# KiCad board distribution.kicad_pcb (continued)
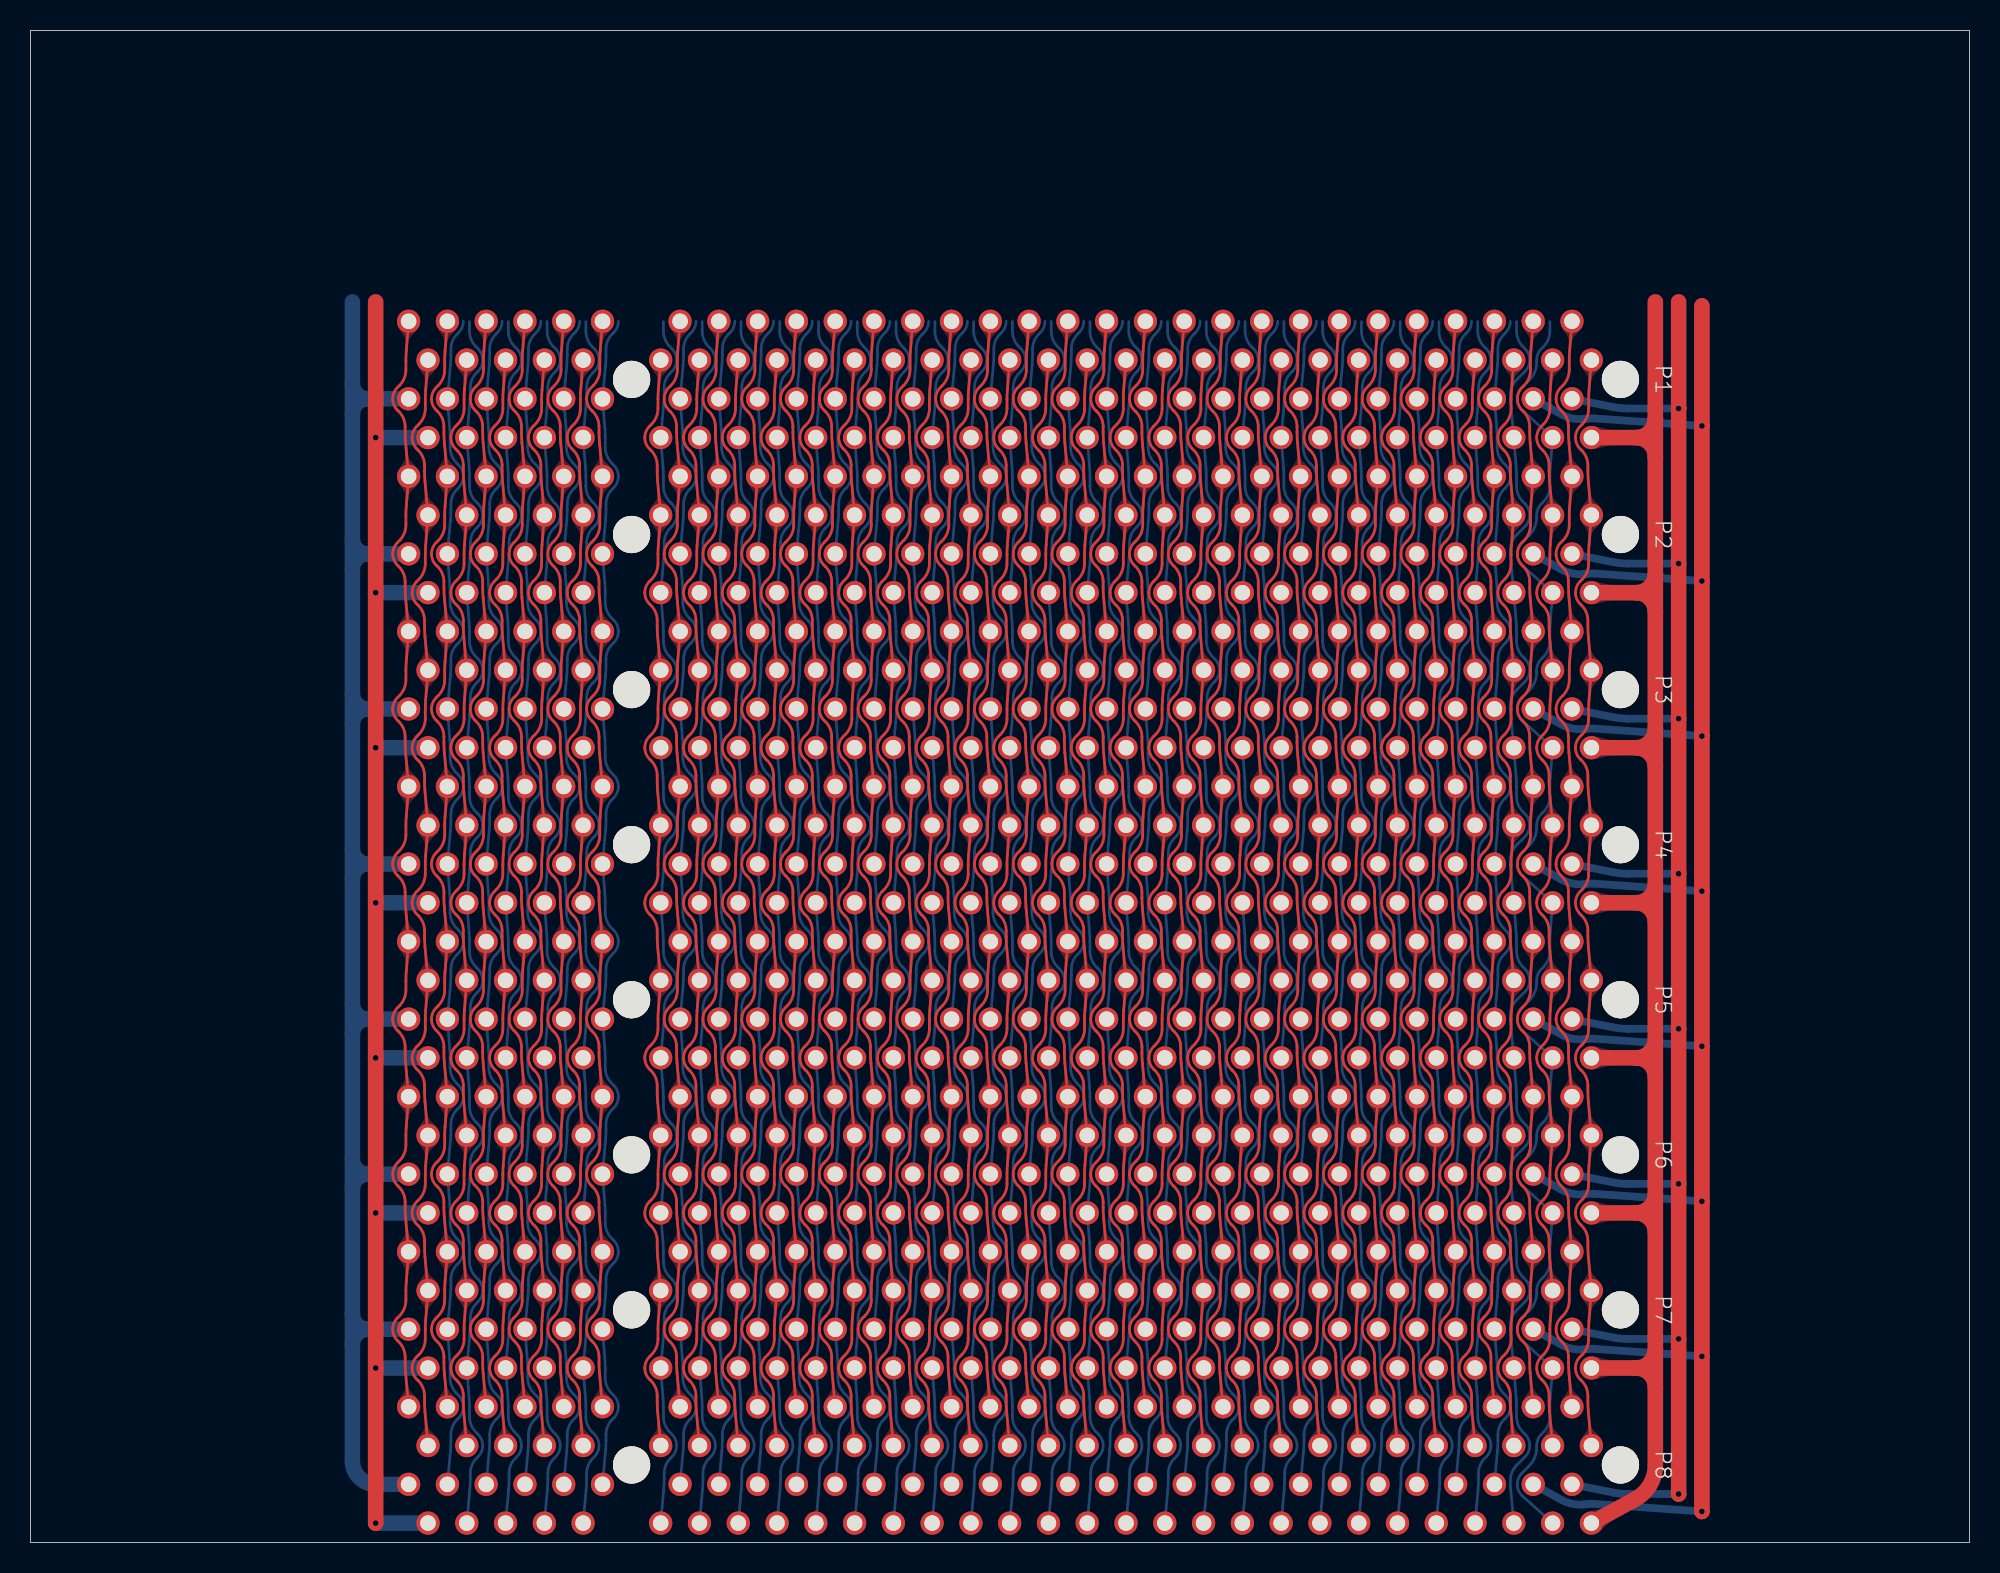
[diagram p0: board, top side]
## Routing (per net, layer and track width the routed paths; a pad name or vN(x,y) marks a point on that pad's centre or on a via; arc(x,y) is an arc through that point) (continued)
Vw': length 74.6
  Top w0.178: P8.B54 34.73,11.09 arc(34.7,11.43) 34.7,11.77 34.7,12.15 arc(34.59,12.68) 34.29,13.13 34.19,13.23 arc(33.96,13.57) 33.88,13.97 arc(33.96,14.37) 34.19,14.71 34.32,14.83 arc(34.63,15.31) 34.75,15.88 34.75,16.49 arc(34.75,16.79) 34.77,17.09 P7.B54 34.73,21.25 arc(34.7,21.59) 34.7,21.93 34.7,22.31 arc(34.59,22.84) 34.29,23.29 34.19,23.39 arc(33.96,23.73) 33.88,24.13 arc(33.96,24.53) 34.19,24.87 34.32,24.99 arc(34.63,25.47) 34.75,26.04 34.75,26.65 arc(34.75,26.95) 34.77,27.25 P6.B54 34.73,31.41 arc(34.7,31.75) 34.7,32.09 34.7,32.47 arc(34.59,33) 34.29,33.45 34.19,33.55 arc(33.96,33.89) 33.88,34.29 arc(33.96,34.69) 34.19,35.03 34.32,35.15 arc(34.63,35.63) 34.75,36.2 34.75,36.81 arc(34.75,37.11) 34.77,37.41 P5.B54 34.73,41.57 arc(34.7,41.91) 34.7,42.25 34.7,42.63 arc(34.59,43.16) 34.29,43.61 34.19,43.71 arc(33.96,44.05) 33.88,44.45 arc(33.96,44.85) 34.19,45.19 34.32,45.31 arc(34.63,45.79) 34.75,46.36 34.75,46.97 arc(34.75,47.27) 34.77,47.57 P4.B54 34.73,51.73 arc(34.7,52.07) 34.7,52.41 34.7,52.79 arc(34.59,53.32) 34.29,53.77 34.19,53.87 arc(33.96,54.21) 33.88,54.61 arc(33.96,55.01) 34.19,55.35 34.32,55.47 arc(34.63,55.95) 34.75,56.52 34.75,57.13 arc(34.75,57.43) 34.77,57.73 P3.B54 34.73,61.89 arc(34.7,62.23) 34.7,62.57 34.7,62.95 arc(34.59,63.48) 34.29,63.93 34.19,64.03 arc(33.96,64.37) 33.88,64.77 arc(33.96,65.17) 34.19,65.51 34.32,65.63 arc(34.63,66.11) 34.75,66.68 34.75,67.29 arc(34.75,67.59) 34.77,67.89 P2.B54 34.73,72.05 arc(34.7,72.39) 34.7,72.73 34.7,73.11 arc(34.59,73.64) 34.29,74.09 34.19,74.19 arc(33.96,74.53) 33.88,74.93 arc(33.96,75.33) 34.19,75.67 34.32,75.79 arc(34.63,76.27) 34.75,76.84 34.75,77.45 arc(34.75,77.75) 34.77,78.05 P1.B54
W: length 79.9
  Bottom w0.178: P8.A56 32.58,6.01 arc(32.61,6.35) 32.61,6.69 32.61,7.07 arc(32.72,7.6) 33.02,8.05 33.12,8.15 arc(33.35,8.49) 33.43,8.89 arc(33.35,9.29) 33.12,9.63 32.99,9.75 arc(32.68,10.23) 32.56,10.8 32.56,11.41 arc(32.56,11.71) 32.54,12.01 P7.A56 32.58,16.17 arc(32.61,16.51) 32.61,16.85 32.61,17.23 arc(32.72,17.76) 33.02,18.21 33.12,18.31 arc(33.35,18.65) 33.43,19.05 arc(33.35,19.45) 33.12,19.79 32.99,19.91 arc(32.68,20.39) 32.56,20.96 32.56,21.57 arc(32.56,21.87) 32.54,22.17 P6.A56 32.58,26.33 arc(32.61,26.67) 32.61,27.01 32.61,27.39 arc(32.72,27.92) 33.02,28.37 33.12,28.47 arc(33.35,28.81) 33.43,29.21 arc(33.35,29.61) 33.12,29.95 32.99,30.07 arc(32.68,30.55) 32.56,31.12 32.56,31.73 arc(32.56,32.03) 32.54,32.33 P5.A56 32.58,36.49 arc(32.61,36.83) 32.61,37.17 32.61,37.55 arc(32.72,38.08) 33.02,38.53 33.12,38.63 arc(33.35,38.97) 33.43,39.37 arc(33.35,39.77) 33.12,40.11 32.99,40.23 arc(32.68,40.71) 32.56,41.28 32.56,41.89 arc(32.56,42.19) 32.54,42.49 P4.A56 32.58,46.65 arc(32.61,46.99) 32.61,47.33 32.61,47.71 arc(32.72,48.24) 33.02,48.69 33.12,48.79 arc(33.35,49.13) 33.43,49.53 arc(33.35,49.93) 33.12,50.27 32.99,50.39 arc(32.68,50.87) 32.56,51.44 32.56,52.05 arc(32.56,52.35) 32.54,52.65 P3.A56 32.58,56.81 arc(32.61,57.15) 32.61,57.49 32.61,57.87 arc(32.72,58.4) 33.02,58.85 33.12,58.95 arc(33.35,59.29) 33.43,59.69 arc(33.35,60.09) 33.12,60.43 32.99,60.55 arc(32.68,61.03) 32.56,61.6 32.56,62.21 arc(32.56,62.51) 32.54,62.81 P2.A56 32.58,66.97 arc(32.61,67.31) 32.61,67.65 32.61,68.03 arc(32.72,68.56) 33.02,69.01 33.12,69.11 arc(33.35,69.45) 33.43,69.85 arc(33.35,70.25) 33.12,70.59 32.99,70.71 arc(32.68,71.19) 32.56,71.76 32.56,72.37 arc(32.56,72.67) 32.54,72.97 P1.A56 32.58,77.13 arc(32.61,77.47) 32.61,77.81 32.61,78.19 arc(32.72,78.72) 33.02,79.17 33.12,79.27 arc(33.35,79.61) 33.43,80.01
x1: length 74.6
  Top w0.178: P8.B58 29.65,11.09 arc(29.62,11.43) 29.62,11.77 29.62,12.15 arc(29.51,12.68) 29.21,13.13 29.11,13.23 arc(28.88,13.57) 28.8,13.97 arc(28.88,14.37) 29.11,14.71 29.24,14.83 arc(29.55,15.31) 29.67,15.88 29.67,16.49 arc(29.67,16.79) 29.69,17.09 P7.B58 29.65,21.25 arc(29.62,21.59) 29.62,21.93 29.62,22.31 arc(29.51,22.84) 29.21,23.29 29.11,23.39 arc(28.88,23.73) 28.8,24.13 arc(28.88,24.53) 29.11,24.87 29.24,24.99 arc(29.55,25.47) 29.67,26.04 29.67,26.65 arc(29.67,26.95) 29.69,27.25 P6.B58 29.65,31.41 arc(29.62,31.75) 29.62,32.09 29.62,32.47 arc(29.51,33) 29.21,33.45 29.11,33.55 arc(28.88,33.89) 28.8,34.29 arc(28.88,34.69) 29.11,35.03 29.24,35.15 arc(29.55,35.63) 29.67,36.2 29.67,36.81 arc(29.67,37.11) 29.69,37.41 P5.B58 29.65,41.57 arc(29.62,41.91) 29.62,42.25 29.62,42.63 arc(29.51,43.16) 29.21,43.61 29.11,43.71 arc(28.88,44.05) 28.8,44.45 arc(28.88,44.85) 29.11,45.19 29.24,45.31 arc(29.55,45.79) 29.67,46.36 29.67,46.97 arc(29.67,47.27) 29.69,47.57 P4.B58 29.65,51.73 arc(29.62,52.07) 29.62,52.41 29.62,52.79 arc(29.51,53.32) 29.21,53.77 29.11,53.87 arc(28.88,54.21) 28.8,54.61 arc(28.88,55.01) 29.11,55.35 29.24,55.47 arc(29.55,55.95) 29.67,56.52 29.67,57.13 arc(29.67,57.43) 29.69,57.73 P3.B58 29.65,61.89 arc(29.62,62.23) 29.62,62.57 29.62,62.95 arc(29.51,63.48) 29.21,63.93 29.11,64.03 arc(28.88,64.37) 28.8,64.77 arc(28.88,65.17) 29.11,65.51 29.24,65.63 arc(29.55,66.11) 29.67,66.68 29.67,67.29 arc(29.67,67.59) 29.69,67.89 P2.B58 29.65,72.05 arc(29.62,72.39) 29.62,72.73 29.62,73.11 arc(29.51,73.64) 29.21,74.09 29.11,74.19 arc(28.88,74.53) 28.8,74.93 arc(28.88,75.33) 29.11,75.67 29.24,75.79 arc(29.55,76.27) 29.67,76.84 29.67,77.45 arc(29.67,77.75) 29.69,78.05 P1.B58
x2: length 74.6
  Top w0.178: P8.B52 37.27,11.09 arc(37.24,11.43) 37.24,11.77 37.24,12.15 arc(37.13,12.68) 36.83,13.13 36.73,13.23 arc(36.5,13.57) 36.42,13.97 arc(36.5,14.37) 36.73,14.71 36.86,14.83 arc(37.17,15.31) 37.29,15.88 37.29,16.49 arc(37.29,16.79) 37.31,17.09 P7.B52 37.27,21.25 arc(37.24,21.59) 37.24,21.93 37.24,22.31 arc(37.13,22.84) 36.83,23.29 36.73,23.39 arc(36.5,23.73) 36.42,24.13 arc(36.5,24.53) 36.73,24.87 36.86,24.99 arc(37.17,25.47) 37.29,26.04 37.29,26.65 arc(37.29,26.95) 37.31,27.25 P6.B52 37.27,31.41 arc(37.24,31.75) 37.24,32.09 37.24,32.47 arc(37.13,33) 36.83,33.45 36.73,33.55 arc(36.5,33.89) 36.42,34.29 arc(36.5,34.69) 36.73,35.03 36.86,35.15 arc(37.17,35.63) 37.29,36.2 37.29,36.81 arc(37.29,37.11) 37.31,37.41 P5.B52 37.27,41.57 arc(37.24,41.91) 37.24,42.25 37.24,42.63 arc(37.13,43.16) 36.83,43.61 36.73,43.71 arc(36.5,44.05) 36.42,44.45 arc(36.5,44.85) 36.73,45.19 36.86,45.31 arc(37.17,45.79) 37.29,46.36 37.29,46.97 arc(37.29,47.27) 37.31,47.57 P4.B52 37.27,51.73 arc(37.24,52.07) 37.24,52.41 37.24,52.79 arc(37.13,53.32) 36.83,53.77 36.73,53.87 arc(36.5,54.21) 36.42,54.61 arc(36.5,55.01) 36.73,55.35 36.86,55.47 arc(37.17,55.95) 37.29,56.52 37.29,57.13 arc(37.29,57.43) 37.31,57.73 P3.B52 37.27,61.89 arc(37.24,62.23) 37.24,62.57 37.24,62.95 arc(37.13,63.48) 36.83,63.93 36.73,64.03 arc(36.5,64.37) 36.42,64.77 arc(36.5,65.17) 36.73,65.51 36.86,65.63 arc(37.17,66.11) 37.29,66.68 37.29,67.29 arc(37.29,67.59) 37.31,67.89 P2.B52 37.27,72.05 arc(37.24,72.39) 37.24,72.73 37.24,73.11 arc(37.13,73.64) 36.83,74.09 36.73,74.19 arc(36.5,74.53) 36.42,74.93 arc(36.5,75.33) 36.73,75.67 36.86,75.79 arc(37.17,76.27) 37.29,76.84 37.29,77.45 arc(37.29,77.75) 37.31,78.05 P1.B52
x3: length 82.7
  Bottom w0.178: 56.52,1.27 56.71,3.47 arc(56.74,3.81) 56.74,4.15 56.74,4.53 arc(56.85,5.06) 57.15,5.51 57.25,5.61 arc(57.48,5.95) 57.56,6.35 arc(57.48,6.75) 57.25,7.09 57.12,7.21 arc(56.81,7.69) 56.69,8.26 56.69,8.87 arc(56.69,9.17) 56.67,9.47 56.52,11.43 56.71,13.63 arc(56.74,13.97) 56.74,14.31 56.74,14.69 arc(56.85,15.22) 57.15,15.67 57.25,15.77 arc(57.48,16.11) 57.56,16.51 arc(57.48,16.91) 57.25,17.25 57.12,17.37 arc(56.81,17.85) 56.69,18.42 56.69,19.03 arc(56.69,19.33) 56.67,19.63 56.52,21.59 56.71,23.79 arc(56.74,24.13) 56.74,24.47 56.74,24.85 arc(56.85,25.38) 57.15,25.83 57.25,25.93 arc(57.48,26.27) 57.56,26.67 arc(57.48,27.07) 57.25,27.41 57.12,27.53 arc(56.81,28.01) 56.69,28.58 56.69,29.19 arc(56.69,29.49) 56.67,29.79 56.52,31.75 56.71,33.95 arc(56.74,34.29) 56.74,34.63 56.74,35.01 arc(56.85,35.54) 57.15,35.99 57.25,36.09 arc(57.48,36.43) 57.56,36.83 arc(57.48,37.23) 57.25,37.57 57.12,37.69 arc(56.81,38.17) 56.69,38.74 56.69,39.35 arc(56.69,39.65) 56.67,39.95 56.52,41.91 56.71,44.11 arc(56.74,44.45) 56.74,44.79 56.74,45.17 arc(56.85,45.7) 57.15,46.15 57.25,46.25 arc(57.48,46.59) 57.56,46.99 arc(57.48,47.39) 57.25,47.73 57.12,47.85 arc(56.81,48.33) 56.69,48.9 56.69,49.51 arc(56.69,49.81) 56.67,50.11 56.52,52.07 56.71,54.27 arc(56.74,54.61) 56.74,54.95 56.74,55.33 arc(56.85,55.86) 57.15,56.31 57.25,56.41 arc(57.48,56.75) 57.56,57.15 arc(57.48,57.55) 57.25,57.89 57.12,58.01 arc(56.81,58.49) 56.69,59.06 56.69,59.67 arc(56.69,59.97) 56.67,60.27 56.52,62.23 56.71,64.43 arc(56.74,64.77) 56.74,65.11 56.74,65.49 arc(56.85,66.02) 57.15,66.47 57.25,66.57 arc(57.48,66.91) 57.56,67.31 arc(57.48,67.71) 57.25,68.05 57.12,68.17 arc(56.81,68.65) 56.69,69.22 56.69,69.83 arc(56.69,70.13) 56.67,70.43 56.52,72.39 56.71,74.59 arc(56.74,74.93) 56.74,75.27 56.74,75.65 arc(56.85,76.18) 57.15,76.63 57.25,76.73 arc(57.48,77.07) 57.56,77.47 arc(57.48,77.87) 57.25,78.21 57.12,78.33 arc(56.81,78.81) 56.69,79.38 56.69,79.99
~{A*}: length 74.6
  Top w0.178: 84.45,77.47 84.3,75.51 arc(84.28,75.21) 84.28,74.91 84.28,74.3 arc(84.16,73.73) 83.85,73.25 83.72,73.13 arc(83.49,72.79) 83.41,72.39 arc(83.49,71.99) 83.72,71.65 83.82,71.55 arc(84.12,71.1) 84.23,70.57 84.23,70.19 arc(84.23,69.85) 84.26,69.51 84.45,67.31 84.3,65.35 arc(84.28,65.05) 84.28,64.75 84.28,64.14 arc(84.16,63.57) 83.85,63.09 83.72,62.97 arc(83.49,62.63) 83.41,62.23 arc(83.49,61.83) 83.72,61.49 83.82,61.39 arc(84.12,60.94) 84.23,60.41 84.23,60.03 arc(84.23,59.69) 84.26,59.35 84.45,57.15 84.3,55.19 arc(84.28,54.89) 84.28,54.59 84.28,53.98 arc(84.16,53.41) 83.85,52.93 83.72,52.81 arc(83.49,52.47) 83.41,52.07 arc(83.49,51.67) 83.72,51.33 83.82,51.23 arc(84.12,50.78) 84.23,50.25 84.23,49.87 arc(84.23,49.53) 84.26,49.19 84.45,46.99 84.3,45.03 arc(84.28,44.73) 84.28,44.43 84.28,43.82 arc(84.16,43.25) 83.85,42.77 83.72,42.65 arc(83.49,42.31) 83.41,41.91 arc(83.49,41.51) 83.72,41.17 83.82,41.07 arc(84.12,40.62) 84.23,40.09 84.23,39.71 arc(84.23,39.37) 84.26,39.03 84.45,36.83 84.3,34.87 arc(84.28,34.57) 84.28,34.27 84.28,33.66 arc(84.16,33.09) 83.85,32.61 83.72,32.49 arc(83.49,32.15) 83.41,31.75 arc(83.49,31.35) 83.72,31.01 83.82,30.91 arc(84.12,30.46) 84.23,29.93 84.23,29.55 arc(84.23,29.21) 84.26,28.87 84.45,26.67 84.3,24.71 arc(84.28,24.41) 84.28,24.11 84.28,23.5 arc(84.16,22.93) 83.85,22.45 83.72,22.33 arc(83.49,21.99) 83.41,21.59 arc(83.49,21.19) 83.72,20.85 83.82,20.75 arc(84.12,20.3) 84.23,19.77 84.23,19.39 arc(84.23,19.05) 84.26,18.71 84.45,16.51 84.3,14.55 arc(84.28,14.25) 84.28,13.95 84.28,13.34 arc(84.16,12.77) 83.85,12.29 83.72,12.17 arc(83.49,11.83) 83.41,11.43 arc(83.49,11.03) 83.72,10.69 83.82,10.59 arc(84.12,10.14) 84.23,9.61 84.23,9.23 arc(84.23,8.89) 84.26,8.55 84.45,6.35
~{Ac1}: length 74.6
  Top w0.178: P1.B24 72.87,78.05 arc(72.85,77.75) 72.85,77.45 72.85,76.84 arc(72.73,76.27) 72.42,75.79 72.29,75.67 arc(72.06,75.33) 71.98,74.93 arc(72.06,74.53) 72.29,74.19 72.39,74.09 arc(72.69,73.64) 72.8,73.11 72.8,72.73 arc(72.8,72.39) 72.83,72.05 P2.B24 72.87,67.89 arc(72.85,67.59) 72.85,67.29 72.85,66.68 arc(72.73,66.11) 72.42,65.63 72.29,65.51 arc(72.06,65.17) 71.98,64.77 arc(72.06,64.37) 72.29,64.03 72.39,63.93 arc(72.69,63.48) 72.8,62.95 72.8,62.57 arc(72.8,62.23) 72.83,61.89 P3.B24 72.87,57.73 arc(72.85,57.43) 72.85,57.13 72.85,56.52 arc(72.73,55.95) 72.42,55.47 72.29,55.35 arc(72.06,55.01) 71.98,54.61 arc(72.06,54.21) 72.29,53.87 72.39,53.77 arc(72.69,53.32) 72.8,52.79 72.8,52.41 arc(72.8,52.07) 72.83,51.73 P4.B24 72.87,47.57 arc(72.85,47.27) 72.85,46.97 72.85,46.36 arc(72.73,45.79) 72.42,45.31 72.29,45.19 arc(72.06,44.85) 71.98,44.45 arc(72.06,44.05) 72.29,43.71 72.39,43.61 arc(72.69,43.16) 72.8,42.63 72.8,42.25 arc(72.8,41.91) 72.83,41.57 P5.B24 72.87,37.41 arc(72.85,37.11) 72.85,36.81 72.85,36.2 arc(72.73,35.63) 72.42,35.15 72.29,35.03 arc(72.06,34.69) 71.98,34.29 arc(72.06,33.89) 72.29,33.55 72.39,33.45 arc(72.69,33) 72.8,32.47 72.8,32.09 arc(72.8,31.75) 72.83,31.41 P6.B24 72.87,27.25 arc(72.85,26.95) 72.85,26.65 72.85,26.04 arc(72.73,25.47) 72.42,24.99 72.29,24.87 arc(72.06,24.53) 71.98,24.13 arc(72.06,23.73) 72.29,23.39 72.39,23.29 arc(72.69,22.84) 72.8,22.31 72.8,21.93 arc(72.8,21.59) 72.83,21.25 P7.B24 72.87,17.09 arc(72.85,16.79) 72.85,16.49 72.85,15.88 arc(72.73,15.31) 72.42,14.83 72.29,14.71 arc(72.06,14.37) 71.98,13.97 arc(72.06,13.57) 72.29,13.23 72.39,13.13 arc(72.69,12.68) 72.8,12.15 72.8,11.77 arc(72.8,11.43) 72.83,11.09 P8.B24
~{Ac2}: length 79.9
  Bottom w0.178: P8.A18 80.84,6.01 arc(80.87,6.35) 80.87,6.69 80.87,7.07 arc(80.98,7.6) 81.28,8.05 81.38,8.15 arc(81.61,8.49) 81.69,8.89 arc(81.61,9.29) 81.38,9.63 81.25,9.75 arc(80.94,10.23) 80.82,10.8 80.82,11.41 arc(80.82,11.71) 80.8,12.01 P7.A18 80.84,16.17 arc(80.87,16.51) 80.87,16.85 80.87,17.23 arc(80.98,17.76) 81.28,18.21 81.38,18.31 arc(81.61,18.65) 81.69,19.05 arc(81.61,19.45) 81.38,19.79 81.25,19.91 arc(80.94,20.39) 80.82,20.96 80.82,21.57 arc(80.82,21.87) 80.8,22.17 P6.A18 80.84,26.33 arc(80.87,26.67) 80.87,27.01 80.87,27.39 arc(80.98,27.92) 81.28,28.37 81.38,28.47 arc(81.61,28.81) 81.69,29.21 arc(81.61,29.61) 81.38,29.95 81.25,30.07 arc(80.94,30.55) 80.82,31.12 80.82,31.73 arc(80.82,32.03) 80.8,32.33 P5.A18 80.84,36.49 arc(80.87,36.83) 80.87,37.17 80.87,37.55 arc(80.98,38.08) 81.28,38.53 81.38,38.63 arc(81.61,38.97) 81.69,39.37 arc(81.61,39.77) 81.38,40.11 81.25,40.23 arc(80.94,40.71) 80.82,41.28 80.82,41.89 arc(80.82,42.19) 80.8,42.49 P4.A18 80.84,46.65 arc(80.87,46.99) 80.87,47.33 80.87,47.71 arc(80.98,48.24) 81.28,48.69 81.38,48.79 arc(81.61,49.13) 81.69,49.53 arc(81.61,49.93) 81.38,50.27 81.25,50.39 arc(80.94,50.87) 80.82,51.44 80.82,52.05 arc(80.82,52.35) 80.8,52.65 P3.A18 80.84,56.81 arc(80.87,57.15) 80.87,57.49 80.87,57.87 arc(80.98,58.4) 81.28,58.85 81.38,58.95 arc(81.61,59.29) 81.69,59.69 arc(81.61,60.09) 81.38,60.43 81.25,60.55 arc(80.94,61.03) 80.82,61.6 80.82,62.21 arc(80.82,62.51) 80.8,62.81 P2.A18 80.84,66.97 arc(80.87,67.31) 80.87,67.65 80.87,68.03 arc(80.98,68.56) 81.28,69.01 81.38,69.11 arc(81.61,69.45) 81.69,69.85 arc(81.61,70.25) 81.38,70.59 81.25,70.71 arc(80.94,71.19) 80.82,71.76 80.82,72.37 arc(80.82,72.67) 80.8,72.97 P1.A18 80.84,77.13 arc(80.87,77.47) 80.87,77.81 80.87,78.19 arc(80.98,78.72) 81.28,79.17 81.38,79.27 arc(81.61,79.61) 81.69,80.01
~{A}: length 74.6
  Top w0.178: P8.B13 86.8,8.55 arc(86.77,8.89) 86.77,9.23 86.77,9.61 arc(86.66,10.14) 86.36,10.59 86.26,10.69 arc(86.03,11.03) 85.95,11.43 arc(86.03,11.83) 86.26,12.17 86.39,12.29 arc(86.7,12.77) 86.82,13.34 86.82,13.95 arc(86.82,14.25) 86.84,14.55 P7.B13 86.8,18.71 arc(86.77,19.05) 86.77,19.39 86.77,19.77 arc(86.66,20.3) 86.36,20.75 86.26,20.85 arc(86.03,21.19) 85.95,21.59 arc(86.03,21.99) 86.26,22.33 86.39,22.45 arc(86.7,22.93) 86.82,23.5 86.82,24.11 arc(86.82,24.41) 86.84,24.71 P6.B13 86.8,28.87 arc(86.77,29.21) 86.77,29.55 86.77,29.93 arc(86.66,30.46) 86.36,30.91 86.26,31.01 arc(86.03,31.35) 85.95,31.75 arc(86.03,32.15) 86.26,32.49 86.39,32.61 arc(86.7,33.09) 86.82,33.66 86.82,34.27 arc(86.82,34.57) 86.84,34.87 P5.B13 86.8,39.03 arc(86.77,39.37) 86.77,39.71 86.77,40.09 arc(86.66,40.62) 86.36,41.07 86.26,41.17 arc(86.03,41.51) 85.95,41.91 arc(86.03,42.31) 86.26,42.65 86.39,42.77 arc(86.7,43.25) 86.82,43.82 86.82,44.43 arc(86.82,44.73) 86.84,45.03 P4.B13 86.8,49.19 arc(86.77,49.53) 86.77,49.87 86.77,50.25 arc(86.66,50.78) 86.36,51.23 86.26,51.33 arc(86.03,51.67) 85.95,52.07 arc(86.03,52.47) 86.26,52.81 86.39,52.93 arc(86.7,53.41) 86.82,53.98 86.82,54.59 arc(86.82,54.89) 86.84,55.19 P3.B13 86.8,59.35 arc(86.77,59.69) 86.77,60.03 86.77,60.41 arc(86.66,60.94) 86.36,61.39 86.26,61.49 arc(86.03,61.83) 85.95,62.23 arc(86.03,62.63) 86.26,62.97 86.39,63.09 arc(86.7,63.57) 86.82,64.14 86.82,64.75 arc(86.82,65.05) 86.84,65.35 P2.B13 86.8,69.51 arc(86.77,69.85) 86.77,70.19 86.77,70.57 arc(86.66,71.1) 86.36,71.55 86.26,71.65 arc(86.03,71.99) 85.95,72.39 arc(86.03,72.79) 86.26,73.13 86.39,73.25 arc(86.7,73.73) 86.82,74.3 86.82,74.91 arc(86.82,75.21) 86.84,75.51 P1.B13
~{be}: length 74.6
  Top w0.178: P1.B22 75.41,78.05 arc(75.39,77.75) 75.39,77.45 75.39,76.84 arc(75.27,76.27) 74.96,75.79 74.83,75.67 arc(74.6,75.33) 74.52,74.93 arc(74.6,74.53) 74.83,74.19 74.93,74.09 arc(75.23,73.64) 75.34,73.11 75.34,72.73 arc(75.34,72.39) 75.37,72.05 P2.B22 75.41,67.89 arc(75.39,67.59) 75.39,67.29 75.39,66.68 arc(75.27,66.11) 74.96,65.63 74.83,65.51 arc(74.6,65.17) 74.52,64.77 arc(74.6,64.37) 74.83,64.03 74.93,63.93 arc(75.23,63.48) 75.34,62.95 75.34,62.57 arc(75.34,62.23) 75.37,61.89 P3.B22 75.41,57.73 arc(75.39,57.43) 75.39,57.13 75.39,56.52 arc(75.27,55.95) 74.96,55.47 74.83,55.35 arc(74.6,55.01) 74.52,54.61 arc(74.6,54.21) 74.83,53.87 74.93,53.77 arc(75.23,53.32) 75.34,52.79 75.34,52.41 arc(75.34,52.07) 75.37,51.73 P4.B22 75.41,47.57 arc(75.39,47.27) 75.39,46.97 75.39,46.36 arc(75.27,45.79) 74.96,45.31 74.83,45.19 arc(74.6,44.85) 74.52,44.45 arc(74.6,44.05) 74.83,43.71 74.93,43.61 arc(75.23,43.16) 75.34,42.63 75.34,42.25 arc(75.34,41.91) 75.37,41.57 P5.B22 75.41,37.41 arc(75.39,37.11) 75.39,36.81 75.39,36.2 arc(75.27,35.63) 74.96,35.15 74.83,35.03 arc(74.6,34.69) 74.52,34.29 arc(74.6,33.89) 74.83,33.55 74.93,33.45 arc(75.23,33) 75.34,32.47 75.34,32.09 arc(75.34,31.75) 75.37,31.41 P6.B22 75.41,27.25 arc(75.39,26.95) 75.39,26.65 75.39,26.04 arc(75.27,25.47) 74.96,24.99 74.83,24.87 arc(74.6,24.53) 74.52,24.13 arc(74.6,23.73) 74.83,23.39 74.93,23.29 arc(75.23,22.84) 75.34,22.31 75.34,21.93 arc(75.34,21.59) 75.37,21.25 P7.B22 75.41,17.09 arc(75.39,16.79) 75.39,16.49 75.39,15.88 arc(75.27,15.31) 74.96,14.83 74.83,14.71 arc(74.6,14.37) 74.52,13.97 arc(74.6,13.57) 74.83,13.23 74.93,13.13 arc(75.23,12.68) 75.34,12.15 75.34,11.77 arc(75.34,11.43) 75.37,11.09 P8.B22
~{bq}: length 82.7
  Bottom w0.178: 36.19,1.27 36.39,3.47 arc(36.42,3.81) 36.42,4.15 36.42,4.53 arc(36.53,5.06) 36.83,5.51 36.93,5.61 arc(37.16,5.95) 37.24,6.35 arc(37.16,6.75) 36.93,7.09 36.8,7.21 arc(36.49,7.69) 36.37,8.26 36.37,8.87 arc(36.37,9.17) 36.35,9.47 36.19,11.43 36.39,13.63 arc(36.42,13.97) 36.42,14.31 36.42,14.69 arc(36.53,15.22) 36.83,15.67 36.93,15.77 arc(37.16,16.11) 37.24,16.51 arc(37.16,16.91) 36.93,17.25 36.8,17.37 arc(36.49,17.85) 36.37,18.42 36.37,19.03 arc(36.37,19.33) 36.35,19.63 36.19,21.59 36.39,23.79 arc(36.42,24.13) 36.42,24.47 36.42,24.85 arc(36.53,25.38) 36.83,25.83 36.93,25.93 arc(37.16,26.27) 37.24,26.67 arc(37.16,27.07) 36.93,27.41 36.8,27.53 arc(36.49,28.01) 36.37,28.58 36.37,29.19 arc(36.37,29.49) 36.35,29.79 36.19,31.75 36.39,33.95 arc(36.42,34.29) 36.42,34.63 36.42,35.01 arc(36.53,35.54) 36.83,35.99 36.93,36.09 arc(37.16,36.43) 37.24,36.83 arc(37.16,37.23) 36.93,37.57 36.8,37.69 arc(36.49,38.17) 36.37,38.74 36.37,39.35 arc(36.37,39.65) 36.35,39.95 36.19,41.91 36.39,44.11 arc(36.42,44.45) 36.42,44.79 36.42,45.17 arc(36.53,45.7) 36.83,46.15 36.93,46.25 arc(37.16,46.59) 37.24,46.99 arc(37.16,47.39) 36.93,47.73 36.8,47.85 arc(36.49,48.33) 36.37,48.9 36.37,49.51 arc(36.37,49.81) 36.35,50.11 36.19,52.07 36.39,54.27 arc(36.42,54.61) 36.42,54.95 36.42,55.33 arc(36.53,55.86) 36.83,56.31 36.93,56.41 arc(37.16,56.75) 37.24,57.15 arc(37.16,57.55) 36.93,57.89 36.8,58.01 arc(36.49,58.49) 36.37,59.06 36.37,59.67 arc(36.37,59.97) 36.35,60.27 36.19,62.23 36.39,64.43 arc(36.42,64.77) 36.42,65.11 36.42,65.49 arc(36.53,66.02) 36.83,66.47 36.93,66.57 arc(37.16,66.91) 37.24,67.31 arc(37.16,67.71) 36.93,68.05 36.8,68.17 arc(36.49,68.65) 36.37,69.22 36.37,69.83 arc(36.37,70.13) 36.35,70.43 36.19,72.39 36.39,74.59 arc(36.42,74.93) 36.42,75.27 36.42,75.65 arc(36.53,76.18) 36.83,76.63 36.93,76.73 arc(37.16,77.07) 37.24,77.47 arc(37.16,77.87) 36.93,78.21 36.8,78.33 arc(36.49,78.81) 36.37,79.38 36.37,79.99
~{brc}: length 74.6
  Top w0.178: P8.B20 77.91,11.09 arc(77.88,11.43) 77.88,11.77 77.88,12.15 arc(77.77,12.68) 77.47,13.13 77.37,13.23 arc(77.14,13.57) 77.06,13.97 arc(77.14,14.37) 77.37,14.71 77.5,14.83 arc(77.81,15.31) 77.93,15.88 77.93,16.49 arc(77.93,16.79) 77.95,17.09 P7.B20 77.91,21.25 arc(77.88,21.59) 77.88,21.93 77.88,22.31 arc(77.77,22.84) 77.47,23.29 77.37,23.39 arc(77.14,23.73) 77.06,24.13 arc(77.14,24.53) 77.37,24.87 77.5,24.99 arc(77.81,25.47) 77.93,26.04 77.93,26.65 arc(77.93,26.95) 77.95,27.25 P6.B20 77.91,31.41 arc(77.88,31.75) 77.88,32.09 77.88,32.47 arc(77.77,33) 77.47,33.45 77.37,33.55 arc(77.14,33.89) 77.06,34.29 arc(77.14,34.69) 77.37,35.03 77.5,35.15 arc(77.81,35.63) 77.93,36.2 77.93,36.81 arc(77.93,37.11) 77.95,37.41 P5.B20 77.91,41.57 arc(77.88,41.91) 77.88,42.25 77.88,42.63 arc(77.77,43.16) 77.47,43.61 77.37,43.71 arc(77.14,44.05) 77.06,44.45 arc(77.14,44.85) 77.37,45.19 77.5,45.31 arc(77.81,45.79) 77.93,46.36 77.93,46.97 arc(77.93,47.27) 77.95,47.57 P4.B20 77.91,51.73 arc(77.88,52.07) 77.88,52.41 77.88,52.79 arc(77.77,53.32) 77.47,53.77 77.37,53.87 arc(77.14,54.21) 77.06,54.61 arc(77.14,55.01) 77.37,55.35 77.5,55.47 arc(77.81,55.95) 77.93,56.52 77.93,57.13 arc(77.93,57.43) 77.95,57.73 P3.B20 77.91,61.89 arc(77.88,62.23) 77.88,62.57 77.88,62.95 arc(77.77,63.48) 77.47,63.93 77.37,64.03 arc(77.14,64.37) 77.06,64.77 arc(77.14,65.17) 77.37,65.51 77.5,65.63 arc(77.81,66.11) 77.93,66.68 77.93,67.29 arc(77.93,67.59) 77.95,67.89 P2.B20 77.91,72.05 arc(77.88,72.39) 77.88,72.73 77.88,73.11 arc(77.77,73.64) 77.47,74.09 77.37,74.19 arc(77.14,74.53) 77.06,74.93 arc(77.14,75.33) 77.37,75.67 77.5,75.79 arc(77.81,76.27) 77.93,76.84 77.93,77.45 arc(77.93,77.75) 77.95,78.05 P1.B20
~{bs}: length 74.6
  Top w0.178: P1.B8 93.19,78.05 arc(93.17,77.75) 93.17,77.45 93.17,76.84 arc(93.05,76.27) 92.74,75.79 92.61,75.67 arc(92.38,75.33) 92.3,74.93 arc(92.38,74.53) 92.61,74.19 92.71,74.09 arc(93.01,73.64) 93.12,73.11 93.12,72.73 arc(93.12,72.39) 93.15,72.05 P2.B8 93.19,67.89 arc(93.17,67.59) 93.17,67.29 93.17,66.68 arc(93.05,66.11) 92.74,65.63 92.61,65.51 arc(92.38,65.17) 92.3,64.77 arc(92.38,64.37) 92.61,64.03 92.71,63.93 arc(93.01,63.48) 93.12,62.95 93.12,62.57 arc(93.12,62.23) 93.15,61.89 P3.B8 93.19,57.73 arc(93.17,57.43) 93.17,57.13 93.17,56.52 arc(93.05,55.95) 92.74,55.47 92.61,55.35 arc(92.38,55.01) 92.3,54.61 arc(92.38,54.21) 92.61,53.87 92.71,53.77 arc(93.01,53.32) 93.12,52.79 93.12,52.41 arc(93.12,52.07) 93.15,51.73 P4.B8 93.19,47.57 arc(93.17,47.27) 93.17,46.97 93.17,46.36 arc(93.05,45.79) 92.74,45.31 92.61,45.19 arc(92.38,44.85) 92.3,44.45 arc(92.38,44.05) 92.61,43.71 92.71,43.61 arc(93.01,43.16) 93.12,42.63 93.12,42.25 arc(93.12,41.91) 93.15,41.57 P5.B8 93.19,37.41 arc(93.17,37.11) 93.17,36.81 93.17,36.2 arc(93.05,35.63) 92.74,35.15 92.61,35.03 arc(92.38,34.69) 92.3,34.29 arc(92.38,33.89) 92.61,33.55 92.71,33.45 arc(93.01,33) 93.12,32.47 93.12,32.09 arc(93.12,31.75) 93.15,31.41 P6.B8 93.19,27.25 arc(93.17,26.95) 93.17,26.65 93.17,26.04 arc(93.05,25.47) 92.74,24.99 92.61,24.87 arc(92.38,24.53) 92.3,24.13 arc(92.38,23.73) 92.61,23.39 92.71,23.29 arc(93.01,22.84) 93.12,22.31 93.12,21.93 arc(93.12,21.59) 93.15,21.25 P7.B8 93.19,17.09 arc(93.17,16.79) 93.17,16.49 93.17,15.88 arc(93.05,15.31) 92.74,14.83 92.61,14.71 arc(92.38,14.37) 92.3,13.97 arc(92.38,13.57) 92.61,13.23 92.71,13.13 arc(93.01,12.68) 93.12,12.15 93.12,11.77 arc(93.12,11.43) 93.15,11.09 P8.B8
~{C}: length 74.6
  Top w0.178: 56.52,77.47 56.36,75.51 arc(56.34,75.21) 56.34,74.91 56.34,74.3 arc(56.22,73.73) 55.91,73.25 55.78,73.13 arc(55.55,72.79) 55.47,72.39 arc(55.55,71.99) 55.78,71.65 55.88,71.55 arc(56.18,71.1) 56.29,70.57 56.29,70.19 arc(56.29,69.85) 56.32,69.51 56.52,67.31 56.36,65.35 arc(56.34,65.05) 56.34,64.75 56.34,64.14 arc(56.22,63.57) 55.91,63.09 55.78,62.97 arc(55.55,62.63) 55.47,62.23 arc(55.55,61.83) 55.78,61.49 55.88,61.39 arc(56.18,60.94) 56.29,60.41 56.29,60.03 arc(56.29,59.69) 56.32,59.35 56.52,57.15 56.36,55.19 arc(56.34,54.89) 56.34,54.59 56.34,53.98 arc(56.22,53.41) 55.91,52.93 55.78,52.81 arc(55.55,52.47) 55.47,52.07 arc(55.55,51.67) 55.78,51.33 55.88,51.23 arc(56.18,50.78) 56.29,50.25 56.29,49.87 arc(56.29,49.53) 56.32,49.19 56.52,46.99 56.36,45.03 arc(56.34,44.73) 56.34,44.43 56.34,43.82 arc(56.22,43.25) 55.91,42.77 55.78,42.65 arc(55.55,42.31) 55.47,41.91 arc(55.55,41.51) 55.78,41.17 55.88,41.07 arc(56.18,40.62) 56.29,40.09 56.29,39.71 arc(56.29,39.37) 56.32,39.03 56.52,36.83 56.36,34.87 arc(56.34,34.57) 56.34,34.27 56.34,33.66 arc(56.22,33.09) 55.91,32.61 55.78,32.49 arc(55.55,32.15) 55.47,31.75 arc(55.55,31.35) 55.78,31.01 55.88,30.91 arc(56.18,30.46) 56.29,29.93 56.29,29.55 arc(56.29,29.21) 56.32,28.87 56.52,26.67 56.36,24.71 arc(56.34,24.41) 56.34,24.11 56.34,23.5 arc(56.22,22.93) 55.91,22.45 55.78,22.33 arc(55.55,21.99) 55.47,21.59 arc(55.55,21.19) 55.78,20.85 55.88,20.75 arc(56.18,20.3) 56.29,19.77 56.29,19.39 arc(56.29,19.05) 56.32,18.71 56.52,16.51 56.36,14.55 arc(56.34,14.25) 56.34,13.95 56.34,13.34 arc(56.22,12.77) 55.91,12.29 55.78,12.17 arc(55.55,11.83) 55.47,11.43 arc(55.55,11.03) 55.78,10.69 55.88,10.59 arc(56.18,10.14) 56.29,9.61 56.29,9.23 arc(56.29,8.89) 56.32,8.55 56.52,6.35
~{Faf}: length 74.6
  Top w0.178: P8.B48 42.35,11.09 arc(42.32,11.43) 42.32,11.77 42.32,12.15 arc(42.21,12.68) 41.91,13.13 41.81,13.23 arc(41.58,13.57) 41.5,13.97 arc(41.58,14.37) 41.81,14.71 41.94,14.83 arc(42.25,15.31) 42.37,15.88 42.37,16.49 arc(42.37,16.79) 42.39,17.09 P7.B48 42.35,21.25 arc(42.32,21.59) 42.32,21.93 42.32,22.31 arc(42.21,22.84) 41.91,23.29 41.81,23.39 arc(41.58,23.73) 41.5,24.13 arc(41.58,24.53) 41.81,24.87 41.94,24.99 arc(42.25,25.47) 42.37,26.04 42.37,26.65 arc(42.37,26.95) 42.39,27.25 P6.B48 42.35,31.41 arc(42.32,31.75) 42.32,32.09 42.32,32.47 arc(42.21,33) 41.91,33.45 41.81,33.55 arc(41.58,33.89) 41.5,34.29 arc(41.58,34.69) 41.81,35.03 41.94,35.15 arc(42.25,35.63) 42.37,36.2 42.37,36.81 arc(42.37,37.11) 42.39,37.41 P5.B48 42.35,41.57 arc(42.32,41.91) 42.32,42.25 42.32,42.63 arc(42.21,43.16) 41.91,43.61 41.81,43.71 arc(41.58,44.05) 41.5,44.45 arc(41.58,44.85) 41.81,45.19 41.94,45.31 arc(42.25,45.79) 42.37,46.36 42.37,46.97 arc(42.37,47.27) 42.39,47.57 P4.B48 42.35,51.73 arc(42.32,52.07) 42.32,52.41 42.32,52.79 arc(42.21,53.32) 41.91,53.77 41.81,53.87 arc(41.58,54.21) 41.5,54.61 arc(41.58,55.01) 41.81,55.35 41.94,55.47 arc(42.25,55.95) 42.37,56.52 42.37,57.13 arc(42.37,57.43) 42.39,57.73 P3.B48 42.35,61.89 arc(42.32,62.23) 42.32,62.57 42.32,62.95 arc(42.21,63.48) 41.91,63.93 41.81,64.03 arc(41.58,64.37) 41.5,64.77 arc(41.58,65.17) 41.81,65.51 41.94,65.63 arc(42.25,66.11) 42.37,66.68 42.37,67.29 arc(42.37,67.59) 42.39,67.89 P2.B48 42.35,72.05 arc(42.32,72.39) 42.32,72.73 42.32,73.11 arc(42.21,73.64) 41.91,74.09 41.81,74.19 arc(41.58,74.53) 41.5,74.93 arc(41.58,75.33) 41.81,75.67 41.94,75.79 arc(42.25,76.27) 42.37,76.84 42.37,77.45 arc(42.37,77.75) 42.39,78.05 P1.B48